# KiCad board central-control-unit.kicad_pcb (continued)
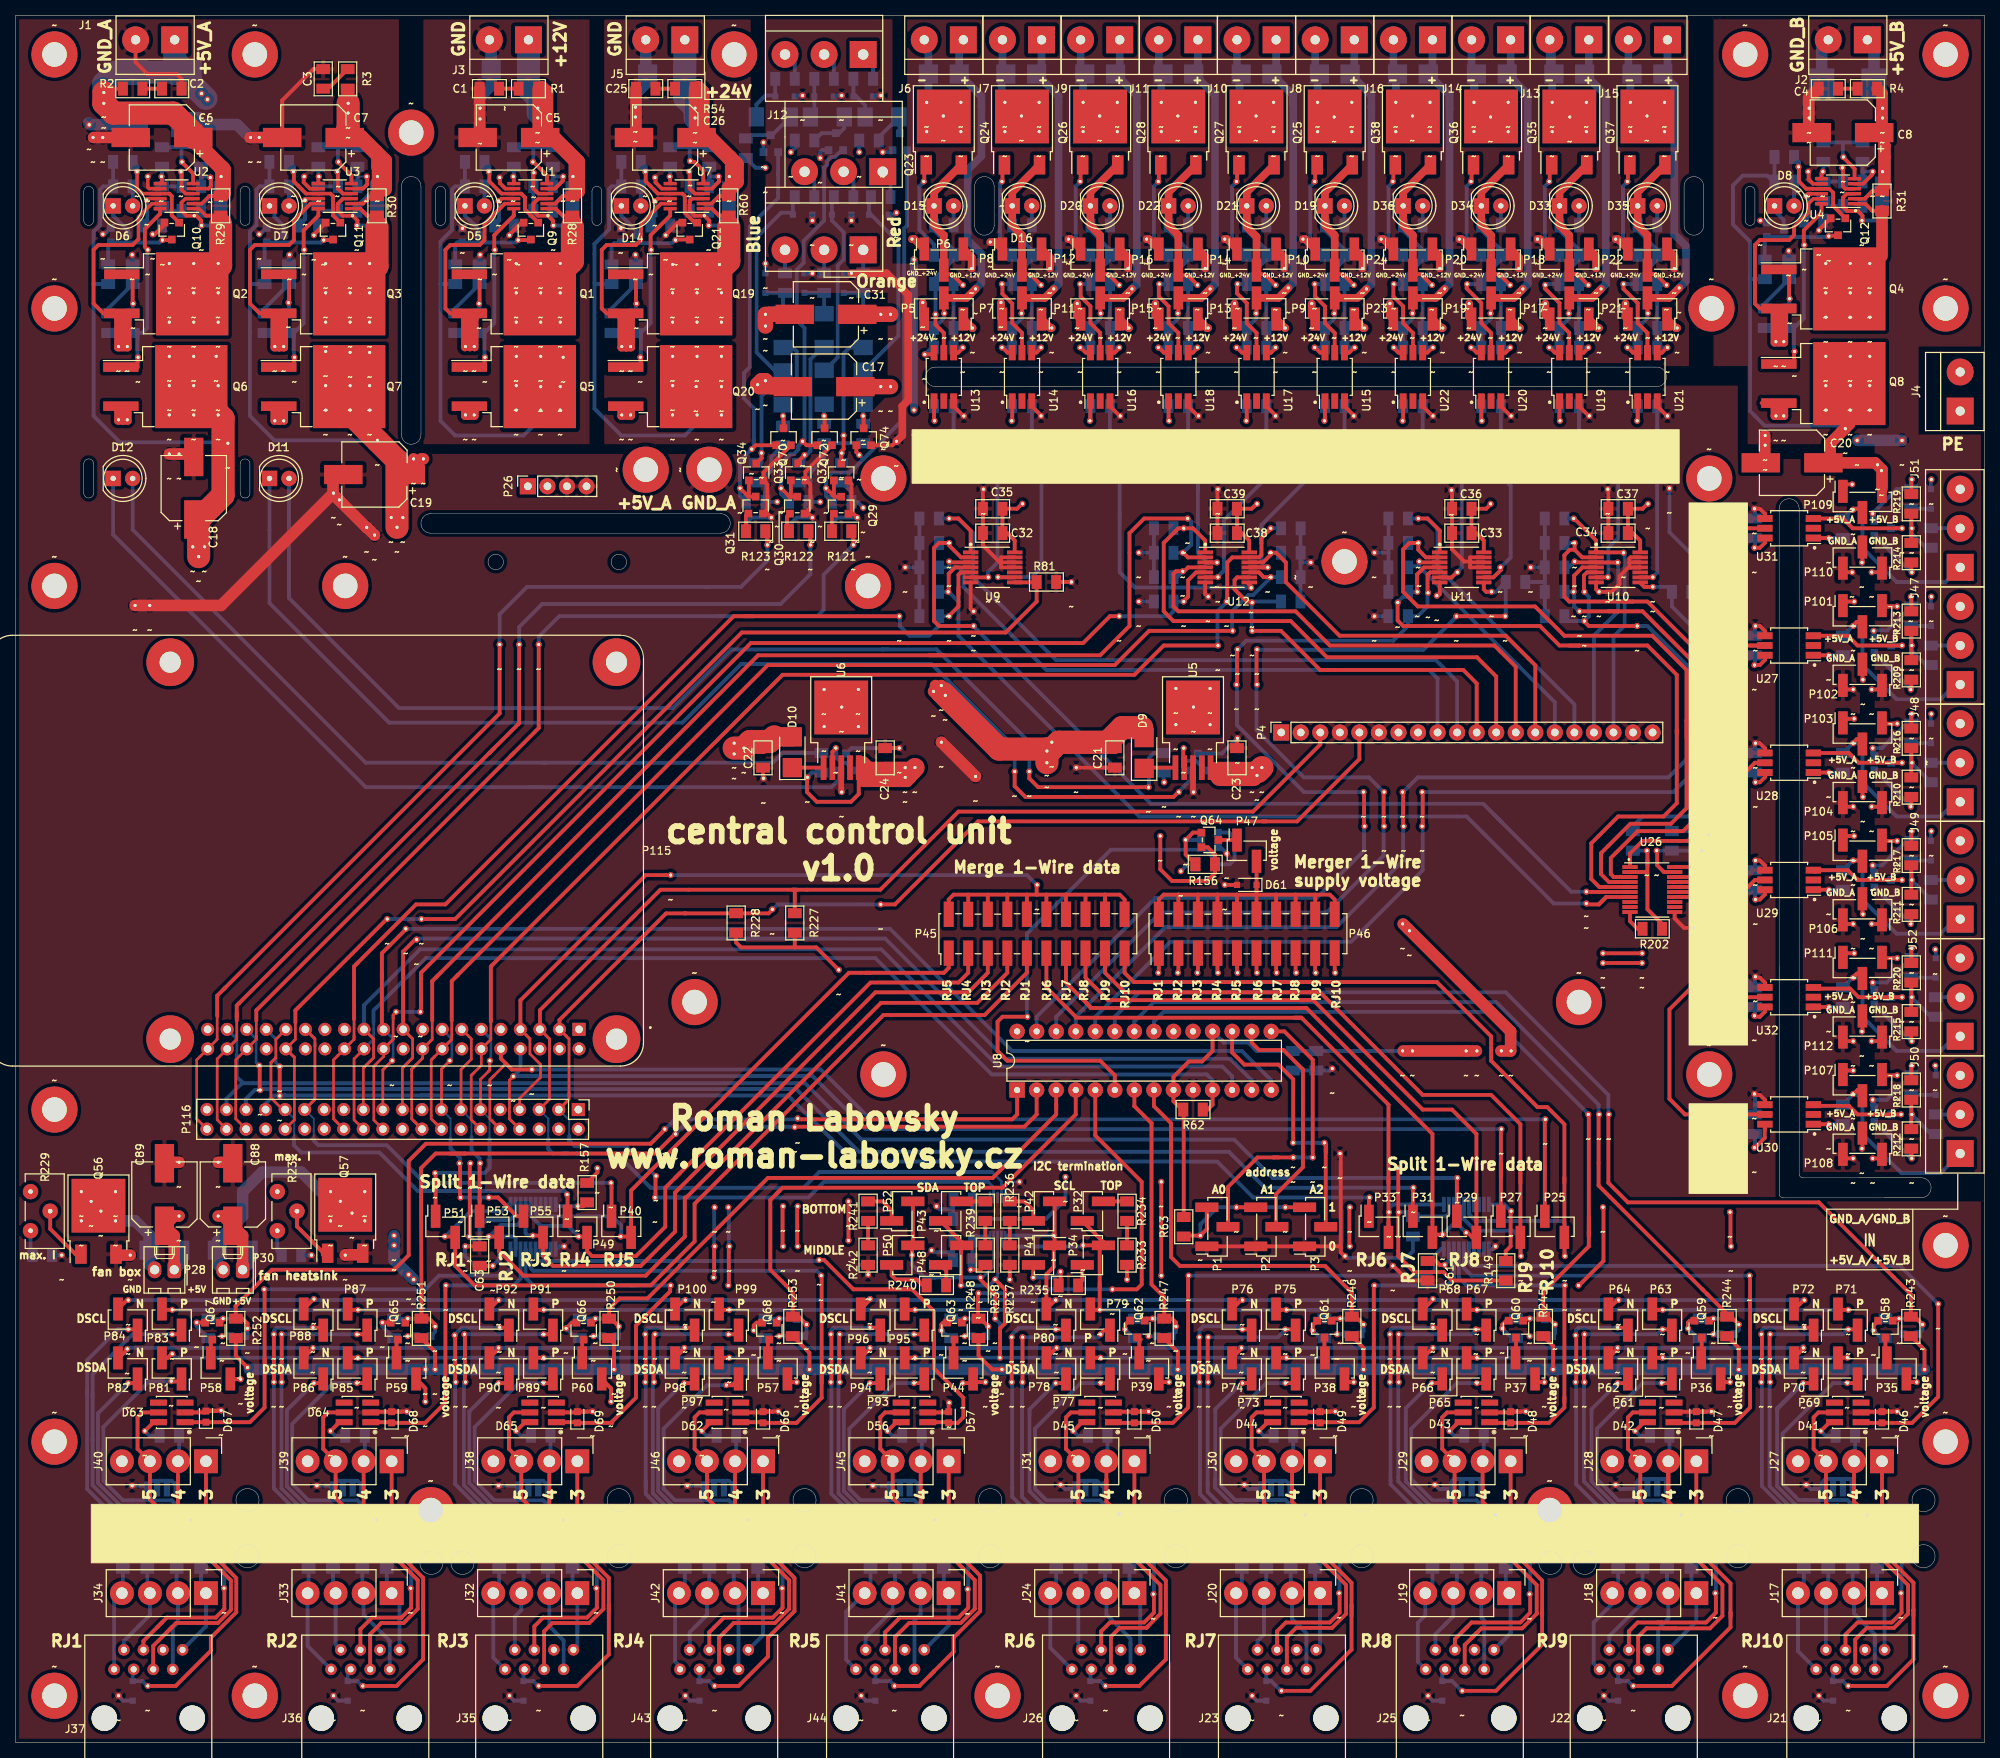
[diagram p0: board, top side]
## Routing (per net, layer and track width the routed paths; a pad name or vN(x,y) marks a point on that pad's centre or on a via; arc(x,y) is an arc through that point) (continued)
  Bottom w0.5: R152.2 198.67,55.12 Q41.3
Net-(Q42-Pad3): length 5
  Top w0.5: ~#1050.~ 171.34,55.12 Q61.1
  Bottom w0.5: R153.2 173.69,55.12 Q42.3
Net-(Q43-Pad3): length 5
  Top w0.5: ~#1046.~ 147,55.12 Q62.1
  Bottom w0.5: R154.2 149.22,55.12 Q43.3
Net-(Q44-Pad3): length 4.4
  Top w0.5: ~#1040.~ 123.13,54.86 123.13,54.61 Q63.1
  Bottom w0.5: R155.2 125.14,55.12 Q44.3
Net-(Q45-Pad3): length 8.1
  Top w0.5: Q64.1 153.03,118.3 ~#1063.~ 152.08,115.44 R156.2
  Bottom w0.5: Q45.3 ~#1063.~
Net-(Q46-Pad3): length 4.7
  Top w0.5: ~#1044.~ 98.93,54.8 Q68.1
  Bottom w0.5: R158.2 101.47,55.12 Q46.3
Net-(Q47-Pad3): length 5
  Top w0.5: ~#1028.~ 26.99,55.04 Q67.1
  Bottom w0.5: 25.59,55.37 25.59,55.05 25.66,55.12 ; R159.2 28.82,55.12 Q47.3
Net-(Q48-Pad3): length 6.2
  Top w0.5: 50.72,54.59 Q65.1 50.67,54.8 ~#1030.~
  Bottom w0.5: 49.72,55.37 49.72,55.05 ; Q48.3 52.95,55.12 ~#1030.~ ; R160.2 52.32,55.12
Net-(Q49-Pad3): length 8
  Top w0.5: Q66.1 74.85,54.59 ~#1031.~
  Bottom w0.5: 73.85,55.05 73.92,55.12 77.15,55.12 ; R161.2 77.13,55.12 Q49.3
Net-(Q50-Pad1): length 13.9
  Top w0.5: R209.2 246.38,136.91
  Bottom w0.5: 245.7,137.54 Q50.1 241.62,141.67 246.38,136.91
Net-(Q50-Pad3): length 14.2
  Top w0.5: 245.11,142.62 239.4,142.62 238.12,143.89 233.66,143.89 233.81,143.74
  Bottom w0.5: 244.41,142.62 245.11,142.62 Q50.3
Net-(Q51-Pad1): length 8.1
  Top w0.5: R210.2 246.38,121.67
  Bottom w0.5: Q51.1 241.62,126.43 246.38,121.67
Net-(Q51-Pad3): length 14.1
  Top w0.5: 238.83,128.08 239.53,127.38 245.11,127.38 ; 238.83,128.08 238.41,128.5 ; 238.83,128.08 238.26,128.65 U28.3 233.81,128.5
  Bottom w0.5: 245.11,127.38 Q51.3
Net-(Q52-Pad1): length 8.1
  Top w0.5: R211.2 246.38,106.43
  Bottom w0.5: 246.38,106.43 241.62,111.19 Q52.1
Net-(Q52-Pad3): length 13.9
  Top w0.5: 233.87,113.2 U29.3 238.12,113.41 239.4,112.14 239.53,112.14 ; 239.33,112.21 239.46,112.21 239.53,112.14 ; 239.53,112.14 245.11,112.14
  Bottom w0.5: Q52.3 245.11,112.14
Net-(Q53-Pad1): length 9.3
  Top w0.5: R212.2 246.38,75.95 ; 246.38,77.6 246.38,76.33
  Bottom w0.5: 246.38,75.95 241.62,80.71 Q53.1
Net-(Q53-Pad3): length 13.6
  Top w0.5: 233.38,82.93 233.53,82.78 238.28,82.78 239.4,81.66 245.11,81.66
  Bottom w0.5: 245.11,81.66 Q53.3
Net-(Q54-Pad1): length 8
  Top w0.5: R214.2 246.38,152.15
  Bottom w0.5: 241.57,156.64 241.89,156.64 246.38,152.15 ; 241.62,156.91 Q54.1
Net-(Q54-Pad3): length 13.3
  Top w0.5: U31.3 237.49,159.13 238.76,157.86 245.11,157.86
  Bottom w0.5: 245.11,157.86 Q54.3
Net-(Q55-Pad1): length 8.1
  Top w0.5: R215.2 246.38,91.19
  Bottom w0.5: 246.38,91.19 241.62,95.95 Q55.1
Net-(Q55-Pad3): length 14
  Top w0.5: 233.02,98.17 233.17,98.02 238.41,98.02 239.53,96.9 245.11,96.9
  Bottom w0.5: 245.11,96.9 Q55.3
Net-(Q56-Pad1): length 6.9
  Top w0.5: Q56.1 7.82,63.49 4.52,66.79 4.52,68.33
Net-(Q57-Pad1): length 6.4
  Top w0.5: 36.59,68.45 36.59,67.11 39.95,63.75 39.95,63.42
Net-(R5-Pad2): length 9.3
  Top w0.45: 69.07,201.37 67.97,201.37
  Top w0.5: 67.97,201.37 67.31,202.03 67.31,204.22
  Bottom w0.5: 67.31,204.22 R6.1 R5.2
Net-(R6-Pad2): length 6.8
  Top w0.45: 69.07,202.02 70.12,202.02
  Top w0.5: 71.12,203.58 71.12,203.02 70.12,202.02
  Bottom w0.5: 69.85,203.58 71.12,203.58 ; 69.85,203.58 R7.1 ; 69.85,203.58 R6.2
Net-(R7-Pad2): length 11.6
  Top w0.25: 69.07,202.67 69.07,203.73
  Top w0.5: 69.07,202.69 69.07,203.73 67.31,205.49
  Bottom w0.5: R7.2 67.31,207.39 ; 67.31,207.39 R8.1 ; 67.31,207.39 67.31,205.49
Net-(R8-Pad2): length 2.2
  Top w0.5: 64.77,203.58 64.77,202.69
  Bottom w0.5: R8.2 64.77,203.58
Net-(R10-Pad1): length 2.8
  Bottom w0.5: 20.95,199.14 19.05,199.14 18.41,199.77
Net-(R10-Pad2): length 8.5
  Top w0.45: U2.4 22.09,201.37 21.59,201.87
  Top w0.5: 21.59,204.22 21.59,201.87
  Bottom w0.5: 20.95,202.31 18.41,202.31 ; 21.59,204.22 R11.1
Net-(R11-Pad2): length 7.5
  Top w0.45: U2.5 25.1,202.02
  Top w0.5: 25.4,203.58 25.4,202.31 25.1,202.02
  Bottom w0.5: 25.4,203.58 24.13,203.58 ; 24.13,203.58 R12.1 ; 24.13,203.58 24.13,202.31
Net-(R12-Pad2): length 10.4
  Top w0.25: U2.6 23.1,203.34
  Top w0.5: 23.1,202.69 23.1,203.97 21.59,205.49
  Bottom w0.5: R13.1 21.59,207.39 ; 21.59,207.39 23.49,207.39 ; 21.59,207.39 21.59,205.49
Net-(R13-Pad2): length 2.3
  Top w0.5: 18.8,202.69 19.05,202.94 19.05,203.58
  Bottom w0.5: 19.05,203.58 R13.2
Net-(R14-Pad2): length 2.8
  Bottom w0.5: R14.2 40,199.14 39.37,199.77
Net-(R15-Pad2): length 9.7
  Top w0.25: 44.06,201.37 42.96,201.37
  Top w0.45: U3.4 42.57,201.37
  Top w0.5: R16.1 41.91,202.03 42.57,201.37 ; 41.91,202.42 41.91,204.22
  Bottom w0.5: R15.2 R16.1 41.91,204.22
Net-(R16-Pad2): length 7.3
  Top w0.45: 44.06,202.02 45.16,202.02
  Top w0.5: 45.16,202.02 45.72,202.58 45.72,203.58
  Bottom w0.25: 45.72,203.58 44.45,203.58
  Bottom w0.5: 44.45,202.95 44.45,202.31 R17.1
Net-(R17-Pad2): length 11.1
  Top w0.25: 44.06,202.67 43.46,202.67
  Top w0.5: 41.91,205.49 43.67,203.73 43.67,202.69
  Bottom w0.5: 41.91,205.49 41.91,207.39 ; 41.91,207.39 R18.1 ; 41.91,207.39 R17.2
Net-(R18-Pad2): length 2.2
  Top w0.5: 39.37,203.58 39.37,202.69
  Bottom w0.5: R18.2 39.37,203.58
Net-(R19-Pad2): length 2.8
  Bottom w0.5: R19.2 235.59,199.77 R20.1
Net-(R20-Pad2): length 8.6
  Top w0.45: 239.01,202 237.8,202
  Top w0.5: 237.49,204.85 237.49,202.31 237.8,202
  Bottom w0.5: 237.49,204.85 R21.1 R20.2
Net-(R21-Pad2): length 7
  Top w0.45: U4.5 240.11,202.65
  Top w0.5: 240.11,202.65 241.3,203.85 241.3,204.22
  Bottom w0.5: R22.1 240.03,204.22 ; 240.03,204.22 241.3,204.22 ; 240.03,204.22 240.03,202.95
Net-(R22-Pad2): length 13.9
  Top w0.25: U4.6 239.01,204.61 237.49,206.12
  Top w0.5: 237.49,206.12 239.01,204.61 239.01,203.33
  Bottom w0.5: 237.49,206.12 237.49,208.03 ; 237.49,208.03 R22.2 ; 237.49,208.03 R23.1
Net-(R23-Pad2): length 2.3
  Top w0.5: 234.95,204.22 234.71,203.97 U4.7
  Bottom w0.5: R23.2 234.95,204.22
Net-(R24-Pad2): length 11.4
  Top w0.45: 69.07,200.72 67.97,200.72
  Top w0.5: 67.97,200.72 67.31,200.06 67.31,199.14 67.94,198.5 69.22,198.5 69.85,197.87 69.85,197.23
  Bottom w0.5: 72.39,199.77 72.39,197.87 71.75,197.23 69.85,197.23
Net-(R25-Pad2): length 11.2
  Top w0.45: U2.3 22.09,200.72 21.59,200.21
  Top w0.5: 24.13,197.23 24.13,197.87 23.49,198.5 22.23,198.5 21.59,199.14 21.59,200.21
  Bottom w0.5: 26.67,199.77 26.67,197.87 26.03,197.23 24.13,197.23
Net-(R26-Pad2): length 12.6
  Top w0.25: 42.87,200.72 44.06,200.72
  Top w0.45: U3.3 42.57,200.72
  Top w0.5: 44.45,197.23 44.45,197.87 43.81,198.5 42.55,198.5 41.91,199.14 41.91,200.06 42.57,200.72
  Bottom w0.5: 44.45,197.23 46.35,197.23 46.99,197.87 46.99,198.5 46.99,199.77
Net-(R27-Pad2): length 12.4
  Top w0.25: 238.27,198.99 238.91,198.99 ; 237.49,199.91 237.49,199.77
  Top w0.45: U4.3 237.99,201.35
  Top w0.5: 240.03,197.87 240.03,198.5 239.42,199.11 238.74,199.11 ; 238.74,199.11 238.06,199.11 237.49,199.68 237.49,199.77 ; 238.74,199.11 238.27,199.11 ; 237.49,199.91 237.49,200.85 237.99,201.35
  Bottom w0.5: 240.03,197.87 241.94,197.87 242.57,198.5 R27.2
Net-(R55-Pad2): length 9.3
  Top w0.45: U7.4 88.29,201.37
  Top w0.5: 88.29,201.37 87.63,202.03 87.63,204.22
  Bottom w0.5: 87.63,204.22 R56.1 R55.2
Net-(R56-Pad2): length 7.3
  Top w0.25: 90.51,202.02 90.49,202.02 90.8,202.33
  Top w0.45: U7.5 90.49,202.02
  Top w0.5: 91.44,203.58 91.44,202.95 90.51,202.02
  Bottom w0.5: R57.1 90.17,203.58 ; 90.17,203.58 91.44,203.58 ; 90.17,203.58 R56.2
Net-(R57-Pad2): length 10.9
  Top w0.5: 87.63,205.49 88.27,205.49 89.39,204.36 89.39,202.69
  Bottom w0.5: 87.63,207.39 R57.2 ; 87.63,207.39 R58.1 ; 87.63,207.39 87.63,205.49
Net-(R58-Pad2): length 2.2
  Top w0.5: 85.09,203.58 85.09,202.69
  Bottom w0.5: R58.2 85.09,203.58
Net-(R59-Pad2): length 11.6
  Top w0.45: U7.3 87.94,200.72
  Top w0.5: 90.17,197.23 90.17,197.87 89.53,198.5 88.27,198.5 87.63,199.14 87.63,200.41 87.94,200.72
  Bottom w0.5: 92.71,199.77 92.71,197.87 92.08,197.23 90.17,197.23
Net-(R94-Pad2): length 4.5
  Top w0.5: 119.38,174.4 119.38,171.83
  Bottom w0.5: 119.38,171.83 119.38,173.74
Net-(R95-Pad2): length 4.5
  Top w0.5: 129.54,171.83 129.54,174.4
  Bottom w0.5: 129.54,173.74 129.54,171.83
Net-(R96-Pad1): length 19.2
  Top w0.5: U13.5 120.65,183.26 119.57,184.34 ~#443.~
  Bottom w0.5: 119.38,197.23 119.38,196.6 121.92,194.06 R99.2 121.92,192.79 119.38,190.25 119.38,189.61 119.57,189.42 ~#443.~
Net-(R100-Pad1): length 21
  Top w0.5: 128.27,189.61 128.27,188.34 129.54,187.07 129.54,184.53 130.81,183.26 U14.5
  Bottom w0.5: 129.54,197.23 129.54,196.6 132.08,194.06 R101.2 132.08,192.79 129.54,190.25 129.54,189.61 128.27,189.61
Net-(R102-Pad2): length 4.5
  Top w0.5: 170.18,171.83 U15.1
  Bottom w0.5: R102.2 170.18,171.83
Net-(R103-Pad2): length 4.5
  Top w0.5: 139.7,174.4 139.7,171.83
  Bottom w0.5: 139.7,171.83 139.7,173.74
Net-(R104-Pad2): length 4.5
  Top w0.5: U17.1 160.02,171.83
  Bottom w0.5: 160.02,171.83 R104.2
Net-(R105-Pad2): length 4.5
  Top w0.5: 149.86,171.83 U18.1
  Bottom w0.5: R105.2 149.86,171.83
Net-(R106-Pad1): length 21
  Top w0.5: 168.91,189.61 168.91,188 170.18,186.73 170.18,184.53 171.45,183.26 U15.5
  Bottom w0.5: 168.91,189.61 R108.1 170.18,190.25 172.72,192.79 R112.2 172.72,194.06 170.18,196.6 R106.1
Net-(R107-Pad1): length 21
  Top w0.5: 138.43,189.61 138.43,188 139.7,186.73 139.7,184.53 140.97,183.26 U16.5
  Bottom w0.5: 139.7,197.23 139.7,196.6 142.24,194.06 R114.2 142.24,192.79 139.7,190.25 139.7,189.61 138.43,189.61
Net-(R109-Pad1): length 21
  Top w0.5: U17.5 161.29,183.26 160.02,184.53 160.02,187.13 158.75,188.4 158.75,189.61
  Bottom w0.5: R109.1 160.02,196.6 162.56,194.06 R116.2 162.56,192.79 160.02,190.25 R113.1 158.75,189.61
Net-(R110-Pad1): length 21
  Top w0.5: 148.59,189.61 148.59,188 149.86,186.73 149.86,184.53 151.13,183.26 U18.5
  Bottom w0.5: 148.59,189.61 R115.1 149.86,190.25 152.4,192.79 R117.2 152.4,194.06 149.86,196.6 R110.1
Net-(R133-Pad2): length 4.5
  Top w0.5: 200.66,174.4 200.66,171.83
  Bottom w0.5: 200.66,171.83 200.66,173.74
Net-(R134-Pad2): length 4.5
  Top w0.5: 190.5,171.83 U20.1
  Bottom w0.5: R134.2 190.5,171.83
Net-(R135-Pad2): length 4.5
  Top w0.5: 210.82,171.83 210.82,174.4
  Bottom w0.5: 210.82,173.74 210.82,171.83
Net-(R136-Pad2): length 4.5
  Top w0.5: U22.1 180.34,171.83
  Bottom w0.5: 180.34,171.83 R136.2
Net-(R137-Pad1): length 21.9
  Top w0.5: U19.5 201.93,183.26 200.66,184.53 200.66,187.13 198.76,189.04 198.76,189.61
  Bottom w0.5: 198.76,189.61 200.66,189.61 200.66,190.25 203.2,192.79 R145.2 203.2,194.06 200.66,196.6 200.66,197.23
Net-(R138-Pad1): length 21.9
  Top w0.5: U20.5 191.77,183.26 190.5,184.53 190.5,187.13 188.59,189.04 188.59,189.61
  Bottom w0.5: 188.59,189.61 R142.1 190.5,190.25 193.04,192.79 R146.2 193.04,194.06 190.5,196.6 R138.1
Net-(R139-Pad1): length 21.8
  Top w0.5: U21.5 212.09,183.26 210.82,184.53 210.82,187.13 208.98,188.98 ~#488.~
  Bottom w0.5: 210.82,197.23 210.82,196.6 213.36,194.06 R147.2 213.36,192.79 210.82,190.25 210.82,189.61 208.92,189.61
Net-(R140-Pad1): length 21
  Top w0.5: 179.07,189.61 179.07,188 180.34,186.73 180.34,184.53 181.61,183.26 U22.5
  Bottom w0.5: R140.1 180.34,196.6 182.88,194.06 R148.2 182.88,192.79 180.34,190.25 R144.1 179.07,189.61
Net-(R149-Pad2): length 9.9
  Top w0.5: R149.2 193.68,63.88 194.31,64.52 194.31,69.14
  Bottom w0.5: 191.54,69.96 193.49,69.96 194.31,69.14
Net-(R157-Pad2): length 4.4
  Top w0.5: R157.2 73.79,69.72 ~#128.~
  Bottom w0.5: 70.26,69.91 70.26,69.96 70.49,69.72 ~#128.~
Net-(R202-Pad2): length 3.2
  Top w0.5: 209.82,107.93 209.82,106.79 210.82,105.79 R202.2
Net-(R203-Pad2): length 3.8
  Top w0.5: 235.59,141.35 U27.1
  Bottom w0.5: R203.2 235.59,141.35
Net-(R204-Pad2): length 3.8
  Top w0.5: 235.59,126.11 U28.1
  Bottom w0.5: R204.2 235.59,126.11
Net-(R205-Pad2): length 3.8
  Top w0.5: 235.59,110.87 233.66,110.87
  Bottom w0.5: 237.49,110.87 235.59,110.87
Net-(R206-Pad2): length 3.8
  Top w0.5: 235.59,80.39 U30.1
  Bottom w0.5: R206.2 235.59,80.39
Net-(R207-Pad2): length 3.8
  Top w0.5: U31.1 235.59,156.59
  Bottom w0.5: 235.59,156.59 R207.2
Net-(R208-Pad2): length 4.5
  Top w0.5: 235.59,95.63 233.02,95.63
  Bottom w0.5: R208.2 235.59,95.63
Net-(R229-Pad1): length 2.5
  Bottom w0.5: R230.2 1.97,63.63 1.97,65.79
Net-(R231-Pad1): length 2.8
  Bottom w0.5: R232.2 34.04,63.94 34.04,65.91
Net-(R233-Pad2): length 3.2
  Top w0.5: R233.2 R234.1
Net-(R236-Pad2): length 3.2
  Top w0.5: R236.2 R237.1
Net-(R238-Pad2): length 3.2
  Top w0.5: R238.2 R239.1
Net-(R241-Pad2): length 3.2
  Top w0.5: R242.1 R241.2

## Copper pours and planes (outline as drawn; the poured copper is in the pictures)
+12V on Bottom: 73.98,170.05 63.18,170.05 63.18,182.12 73.98,182.12
+12V on PWR.Cu: 73.34,170.69 63.18,170.69 63.18,182.12 73.34,182.12
+12V on PWR.Cu: 114.62,177.04 110.81,177.04 114.62,180.85
+12V on PWR.Cu: 118.43,179.58 115.89,177.04 113.35,179.58 118.43,184.66
+12V on PWR.Cu: 216.85,179.58 118.43,179.58 118.43,184.66 216.85,184.66
+24V on Bottom: 93.66,170.69 83.5,170.69 83.5,182.12 93.66,182.12
+24V on PWR.Cu: 108.9,178.94 96.84,178.94 96.84,180.21 110.17,180.21
+24V on PWR.Cu: 97.47,179.58 93.03,175.13 93.03,182.12 97.47,182.12
+24V on PWR.Cu: 93.03,172.59 83.5,172.59 83.5,182.12 93.03,182.12
+24V on PWR.Cu: 117.79,187.83 109.54,179.58 94.93,179.58 94.93,182.12 105.09,182.12 113.98,190.37 117.79,190.37
+24V on PWR.Cu: 210.5,186.56 117.79,186.56 117.79,190.37 210.5,190.37
GND_+12V on Top: 217.49,178.94 119.06,178.94 119.06,192.91 217.49,192.91
GND_+12V on Top: 74.61,168.78 53.02,168.78 53.02,224.03 74.61,224.03
GND_+12V on Bottom: 217.49,178.94 115.89,178.94 115.89,192.91 217.49,192.91
GND_+12V on Bottom: 74.61,195.45 61.91,195.45 61.91,168.78 53.02,168.78 53.02,224.03 74.61,224.03
GND_+12V on GND.Cu: 96.71,170.69 95.19,170.69 95.19,171.45 96.71,171.45
GND_+12V on GND.Cu: 76.9,168.91 74.1,168.91 74.1,172.97 76.9,172.97
GND_+12V on GND.Cu: 116.52,178.94 114.24,178.94 104.33,168.78 74.1,168.78 74.1,170.94 96.2,170.94 96.2,179.07 102.81,179.07 105.6,181.86 111.7,181.86 115,184.91 116.52,184.91
GND_+12V on GND.Cu: 217.49,178.94 115.89,178.94 116.01,192.53 217.61,192.53
GND_+12V on GND.Cu: 74.61,168.78 53.02,168.78 53.02,224.03 74.61,224.03
GND_+24V on Top: 217.49,194.18 115.89,194.18 115.89,224.03 217.49,224.03
GND_+24V on Top: 95.57,168.78 76.52,168.78 76.52,224.03 95.57,224.03
GND_+24V on Bottom: 217.49,194.18 115.89,194.18 115.89,205.61 217.49,205.61
GND_+24V on Bottom: 95.57,195.45 82.23,195.45 82.23,168.78 76.52,168.78 76.52,224.03 95.57,224.03
GND_+24V on GND.Cu: 94.93,173.74 92.65,171.45 79.44,171.45 76.64,174.24 94.93,174.24
GND_+24V on GND.Cu: 114.74,190.25 113.73,189.23 113.73,186.18 110.93,183.39 104.58,183.39 101.54,180.34 95.44,180.34 95.57,187.45 109.16,187.45 112.97,191.01 112.97,192.28 114.74,192.28
GND_+24V on GND.Cu: 217.49,194.18 115.89,194.18 115.89,224.03 217.49,224.03
GND_+24V on GND.Cu: 95.57,173.99 76.52,173.99 76.52,224.03 95.57,224.03
GND_A on Top: 118.43,174.5 113.35,174.5 113.35,192.28 118.43,192.28
GND_A on Top: 113.98,188.47 97.47,188.47 97.47,224.03 113.98,224.03
GND_A on Top: 49.85,167.51 105.73,167.51 114.62,176.4 223.84,176.4 223.84,166.88 228.92,166.88 228.92,70.36 255.59,70.36 255.59,0.51 0.32,0.51 0.32,224.03 49.85,224.03
GND_A on Top: 232.73,161.16 227.65,161.16 227.65,166.88 232.73,166.88
GND_A on Top: 239.71,74.17 232.09,74.17 232.09,166.88 239.71,166.88
GND_A on Bottom: 139.38,128.14 119.7,128.14 119.7,140.84 139.38,140.84
GND_A on Bottom: 228.92,118.62 159.7,118.62 159.7,140.84 228.92,140.84
GND_A on Bottom: 228.92,140.21 94.93,140.21 94.93,166.88 228.92,166.88
GND_A on Bottom: 95.57,127.51 0.32,127.51 0.32,167.51 95.57,167.51
GND_A on Bottom: 113.98,166.24 97.47,166.24 97.47,224.03 113.98,224.03
GND_A on Bottom: 228.92,77.18 0.32,77.5 0.32,129.57 228.92,129.25
GND_A on Bottom: 223.84,166.88 216.22,166.88 216.22,176.4 223.84,176.4
GND_A on Bottom: 49.85,166.24 16.19,166.24 16.19,169.42 49.85,169.42
GND_A on Bottom: 255.59,0.51 0.32,0.51 0.32,61.47 255.59,62.1
GND_A on Bottom: 255.59,62.1 228.28,62.1 228.28,70.36 255.59,70.36
GND_A on Bottom: 228.92,60.2 47.94,60.2 47.94,78.61 228.92,78.61
GND_A on Bottom: 118.43,166.88 105.41,166.88 114.94,176.4 118.43,176.4
GND_A on Bottom: 216.85,165.61 117.79,165.61 117.79,176.4 216.85,176.4
GND_A on Bottom: 37.78,167.51 29.53,167.51 29.53,196.09 37.78,196.09
GND_A on Bottom: 16.83,166.24 0.32,166.24 0.32,196.09 16.83,196.09
GND_A on Bottom: 49.21,195.45 0.32,195.45 0.32,224.03 49.21,224.03
GND_A on Bottom: 232.73,161.16 228.28,161.16 228.28,166.88 232.73,166.88
GND_A on Bottom: 239.71,74.17 232.09,74.17 232.09,166.88 239.71,166.88
GND_A on GND.Cu: 112.71,194.31 111.7,194.31 111.7,191.52 108.65,188.47 97.47,188.47 97.47,195.33 113.98,195.33
GND_A on GND.Cu: 113.98,194.82 97.47,194.82 97.47,224.03 113.98,224.03
GND_A on GND.Cu: 49.85,167.51 106.36,167.51 115.25,176.4 223.84,176.4 223.84,166.88 228.92,166.88 228.92,70.36 255.59,70.36 255.59,0.51 0.32,0.51 0.32,224.03 49.85,224.03
GND_A on GND.Cu: 48.58,77.34 16.83,77.34 16.83,79.25 48.58,79.25
GND_A on GND.Cu: 239.71,161.16 225.74,161.16 225.74,166.88 239.71,166.88
GND_A on GND.Cu: 239.71,74.17 232.09,74.17 232.09,161.16 239.71,161.16
GND_B on Top: 255.59,181.48 247.33,181.48 247.33,170.05 255.59,170.05 255.59,74.17 241.62,74.17 241.62,168.78 225.11,168.78 225.11,178.94 220.66,178.94 220.66,224.03 255.59,224.03
GND_B on Bottom: 241.62,168.78 231.46,168.78 231.46,170.05 241.62,170.05
GND_B on Bottom: 255.59,74.17 241.62,74.17 241.62,170.05 255.59,170.05
GND_B on Bottom: 255.59,181.48 246.7,181.48 246.7,196.09 232.09,196.09 232.09,168.78 225.11,168.78 225.11,178.94 220.66,178.94 220.66,224.03 255.59,224.03
GND_B on GND.Cu: 255.59,160.53 241.62,160.53 241.62,170.05 255.59,170.05
GND_B on GND.Cu: 255.59,74.17 241.62,74.17 241.62,161.16 255.59,161.16
GND_B on GND.Cu: 255.59,181.48 247.33,181.48 247.33,169.42 225.11,169.42 225.11,178.94 220.66,178.94 220.66,224.03 255.59,224.03
(no net) on PWR.Cu: 255.59,181.48 220.66,181.48 220.66,224.03 255.59,224.03
(no net) on PWR.Cu: 255.59,0.51 0.32,0.51 0.32,30.35 255.59,30.35
(no net) on PWR.Cu: 49.85,183.39 0.32,183.39 0.32,224.03 49.85,224.03
(no net) on PWR.Cu: 74.61,183.39 53.02,183.39 53.02,224.03 74.61,224.03
(no net) on PWR.Cu: 95.57,183.39 76.52,183.39 76.52,224.03 95.57,224.03
(no net) on PWR.Cu: 217.49,194.18 115.89,193.55 115.89,224.03 217.49,224.03
OTHER_+5V_A on Bottom: 49.21,170.69 38.42,170.69 38.42,182.12 49.21,182.12
OTHER_+5V_A on PWR.Cu: 54.29,164.97 45.09,164.97 37.31,157.35 20.64,157.35 20.64,147.83 0.32,147.83 0.32,168.78 54.29,168.78
OTHER_+5V_A on PWR.Cu: 40.32,130.68 52.39,118.62 52.39,67.18 0.32,66.55 0.32,154.81 15.56,154.81
OTHER_+5V_A on PWR.Cu: 255.59,67.18 239.71,67.18 239.71,70.36 255.59,70.36
OTHER_+5V_A on PWR.Cu: 255.59,32.89 0.32,32.89 0.32,67.82 255.59,67.82
OTHER_+5V_A on PWR.Cu: 240.35,67.18 206.69,67.18 206.69,114.17 220.66,114.17 220.66,166.88 240.35,166.88
OTHER_+5V_A on PWR.Cu: 211.77,106.55 197.8,106.55 183.83,119.89 133.67,119.89 133.67,129.41 146.37,142.11 211.77,142.11
OTHER_+5V_A on PWR.Cu: 223.84,166.24 123.51,166.24 123.51,135.76 47.94,135.76 47.94,159.89 53.66,159.89 53.66,157.35 95.57,157.35 114.62,176.4 223.84,176.4
OTHER_+5V_B on Bottom: 245.43,171.32 233.36,171.32 233.36,182.12 245.43,182.12
OTHER_+5V_B on PWR.Cu: 247.33,165.61 241.62,165.61 241.62,168.78 233.36,168.78 233.36,180.21 247.33,180.21
OTHER_+5V_B on PWR.Cu: 247.33,84.96 241.62,84.96 241.62,166.88 247.33,166.88
SYS_+3V3 on PWR.Cu: 219.39,116.08 213.04,116.08 213.04,143.38 145.1,143.38 131.76,130.05 131.76,118.62 182.56,118.62 197.17,104.65 204.79,104.65 204.79,70.36 54.29,70.36 54.29,118.62 101.28,118.62 101.28,133.86 126.05,133.86 126.05,163.7 219.39,163.7
SYS_+5V on Bottom: 28.89,170.69 18.1,170.69 18.1,182.12 28.89,182.12
SYS_+5V on PWR.Cu: 85.41,161.16 46.04,161.16 46.04,133.86 99.38,133.86 99.38,120.52 53.02,120.52 21.91,151 21.91,156.08 37.78,156.08 46.04,164.34 55.56,164.34 55.56,167.51 85.41,167.51
Net-(D17-Pad2) on Bottom: 124.78,206.88 116.52,206.88 116.52,215.14 124.78,215.14
Net-(D18-Pad2) on Bottom: 134.94,206.88 126.68,206.88 126.68,215.14 134.94,215.14
Net-(D23-Pad2) on Bottom: 175.58,206.88 167.32,206.88 167.32,215.14 175.58,215.14
Net-(D24-Pad2) on Bottom: 145.1,206.88 136.84,206.88 136.84,215.14 145.1,215.14
Net-(D25-Pad2) on Bottom: 165.42,206.88 157.16,206.88 157.16,215.14 165.42,215.14
Net-(D26-Pad2) on Bottom: 155.26,206.88 147,206.88 147,215.14 155.26,215.14
Net-(D37-Pad2) on Bottom: 206.06,206.88 197.8,206.88 197.8,215.14 206.06,215.14
Net-(D38-Pad2) on Bottom: 195.9,206.88 187.64,206.88 187.64,215.14 195.9,215.14
Net-(D39-Pad2) on Bottom: 216.22,206.88 207.96,206.88 207.96,215.14 216.22,215.14
Net-(D40-Pad2) on Bottom: 185.74,206.88 177.48,206.88 177.48,215.14 185.74,215.14
Net-(D58-Pad2) on Bottom: 23.18,62.74 0.3,62.74 0.32,76.07 23.18,76.07
Net-(D59-Pad2) on Bottom: 46.67,62.74 24.45,62.74 24.45,75.44 46.67,75.44
Net-(Q1-Pad3) on Bottom: 73.98,182.75 63.18,182.75 63.18,194.18 73.98,194.18
Net-(Q2-Pad3) on Bottom: 28.89,182.75 18.1,182.75 18.1,194.18 28.89,194.18
Net-(Q3-Pad3) on Bottom: 49.21,182.75 38.42,182.75 38.42,194.18 49.21,194.18
Net-(Q4-Pad3) on Bottom: 245.43,183.39 233.36,183.39 233.36,194.82 245.43,194.82
Net-(Q19-Pad3) on Bottom: 93.66,182.75 83.5,182.75 83.5,194.18 93.66,194.18
Net-(U5-Pad6) on Bottom: 157.92,130.56 140.4,130.56 140.4,138.68 157.92,138.68
Net-(U6-Pad6) on Bottom: 118.43,130.68 96.84,130.68 96.84,138.94 118.43,138.94

## Text on the board
F.SilkS: GND_+24V | GND_+12V | GND | +5V | +24V | +12V | +5V_A | GND_A | +5V_B | GND_B | max. I | DSCL | DSDA | N | P | BOTTOM | MIDDLE | - | SDA | + | TOP | SCL | I2C termination | A0 | address | A1 | A2 | 1 | 0 | GND_A/GND_B | +5V_A/+5V_B | voltage | RJ5 | RJ4 | RJ3 | RJ2 | RJ1 | RJ6 | RJ7 | RJ8 | RJ9 | RJ10 | IN | fan box | fan heatsink | Split 1-Wire data | Orange | Merge 1-Wire data | Merger 1-Wire / supply voltage | PE | 5 | 4 | 3 | Blue | Red | Roman Labovsky / www.roman-labovsky.cz | central control unit / v1.0
